# KiCad board LogicBoard_tht2.kicad_pcb (continued)
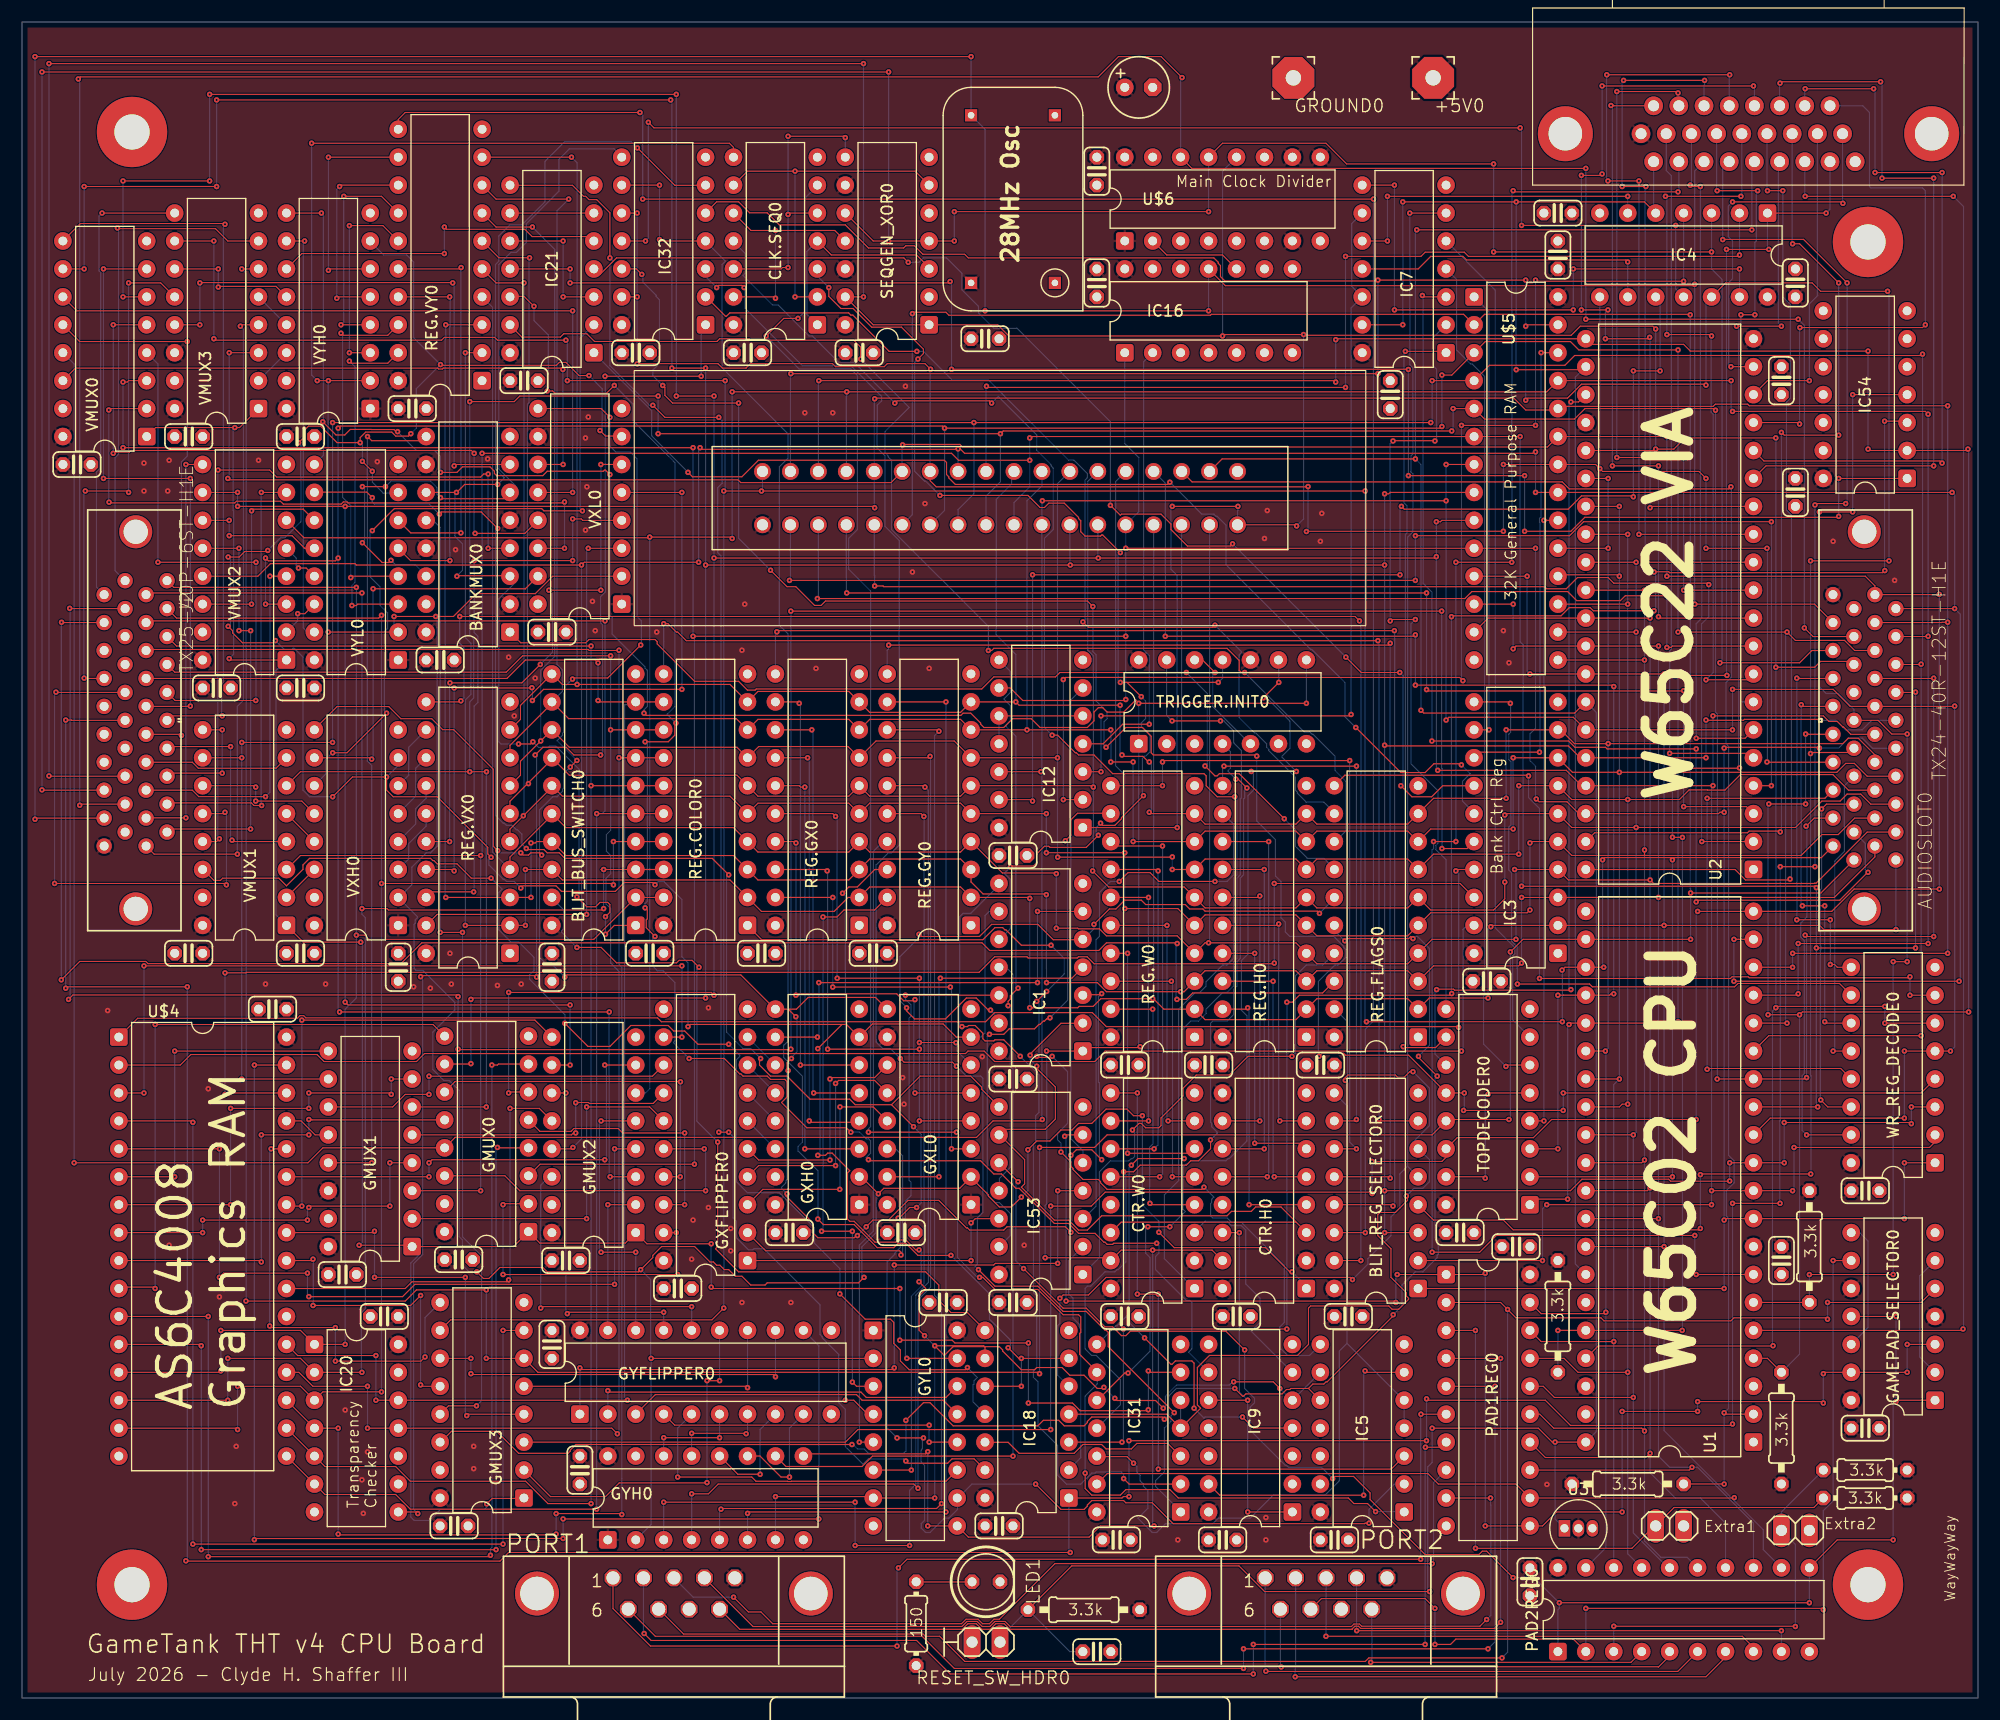
[diagram p0: board, top side]
## Routing (per net, layer and track width the routed paths; a pad name or vN(x,y) marks a point on that pad's centre or on a via; arc(x,y) is an arc through that point) (continued)
/DMA Controller/~{SEQGEN_LOW}: length 21.2
  Top w0.102: v1(68.49,127.28) 68.36,127.41 CLK.SEQ0.13 ; CLK.SEQ0.10 66.26,133.44 v1(68.49,133.44) 73.88,133.44 SEQGEN_XOR0.11
  Bottom w0.102: v1(68.49,127.28) v1(68.49,133.44)
/DMA Controller/~{TILEMODE}: length 60
  Top w0.102: v1(117.94,71.35) 117.74,71.55 107.54,71.55 107.34,71.75 106.14,71.75 105.74,72.15 102.14,72.15 101.74,72.55 100.24,72.55 99.44,71.75 98.84,71.75 v1(97.44,70.35) ; 96.44,68.95 93.74,68.95 92.34,70.35 88.14,70.35 87.04,69.25 81.74,69.25 v1(81.54,69.45) ; v1(88.04,62.55) 87.84,62.55 86.74,63.65 85.84,63.65 83.94,61.75 81.14,61.75 80.41,62.48 v1(80.41,62.76)
  Bottom w0.102: 96.44,68.95 97.44,69.95 v1(97.44,70.35) ; v1(80.41,62.76) 80.28,62.89 80.28,62.91 79.79,63.4 79.79,67.4 81.54,69.15 v1(81.54,69.45) ; v1(117.94,71.35) 119.34,72.75 ; v1(88.04,62.55) 88.84,61.75
/DMA Controller/~{TRANSEN}: length 90.3
  Top w0.102: v1(96.44,97.85) 96.94,97.35 108.24,97.35 v1(108.44,97.55) ; 62.14,127.45 63.94,125.65 64.04,125.65 64.34,125.95 75.14,125.95 75.34,125.75 75.52,125.75 78.82,122.45 v1(81.34,122.45)
  Bottom w0.102: v1(96.44,97.85) 96.64,98.05 96.64,110.75 96.84,110.95 96.84,111.35 95.64,112.55 95.14,112.55 87.84,119.85 84.54,119.85 81.94,122.45 v1(81.34,122.45) ; 119.34,80.45 118.34,81.45 116.74,81.45 115.94,82.25 115.94,82.35 115.74,82.55 115.74,83.75 113.34,86.15 113.34,86.25 113.14,86.45 113.14,86.75 112.14,87.75 112.04,87.75 110.64,89.15 110.64,94.85 110.84,95.05 110.84,95.15 v1(108.44,97.55)
/DMA Controller/~{VOE}: length 46.7
  Top w0.102: VMUX3.12 12.61,128.68 v1(9.69,128.68) ; v1(9.69,109.63) 9.56,109.75 v1(5.75,109.75) ; J2.13 5.67,92.71 v1(5.65,92.74)
  Bottom w0.102: v1(9.69,109.63) v1(9.69,128.68) ; v1(5.75,109.75) 5.63,109.63 5.63,92.76 v1(5.65,92.74)
/DMA Controller/~{VWE}: length 48.2
  Top w0.102: v1(3.09,91.47) 3.11,91.44 J2.12 ; v1(18.45,80.54) 18.33,80.42 VMUX1.12 ; v1(2.96,74.07) 18.45,74.07 v1(18.58,73.94)
  Bottom w0.102: v1(18.45,80.54) 18.58,80.42 v1(18.58,73.94) ; v1(3.09,91.47) 2.96,91.34 v1(2.96,74.07)
/DMA Controller/~{WRAP_X}: length 108
  Top w0.102: v1(104.34,110.55) 104.14,110.35 84.84,110.35 84.24,110.95 84.24,111.05 84.04,111.25 84.04,112.35 83.84,112.55 66.94,112.55 65.44,111.05 60.94,111.05 v1(60.54,111.45) ; v1(130.84,84.85) 130.74,84.95 128.34,84.95 127.54,84.15 125.34,84.15 v1(121.24,88.25)
  Bottom w0.102: 132.04,80.45 130.94,81.55 130.94,83.35 131.64,84.05 v1(130.84,84.85) ; v1(121.24,88.25) 120.24,89.25 120.24,92.35 117.24,95.35 117.14,95.35 109.44,103.05 109.44,106.65 108.64,107.45 108.54,107.45 108.34,107.65 107.24,107.65 v1(104.34,110.55) ; v1(60.54,111.45) 57.24,114.75 57.24,117.05 51.94,122.35
/DMA Controller/~{WRAP_Y}: length 114.3
  Top w0.102: v1(125.34,82.95) 126.34,81.95 128.14,81.95 129.14,82.95 132.04,82.95 ; v1(110.04,104.95) 109.84,104.75 105.94,104.75 104.44,106.25 104.44,106.75 103.54,107.65 99.94,107.65 99.84,107.55 v1(98.94,108.45) ; v1(125.24,93.25) 121.74,93.25 v1(120.34,94.65) ; v1(80.56,130.55) 80.16,130.95 54.04,130.95 52.54,129.45 52.44,129.45 51.94,129.95
  Bottom w0.102: v1(125.34,82.95) 125.54,83.15 125.54,92.95 v1(125.24,93.25) ; v1(110.04,104.95) v1(120.34,94.65) ; v1(98.94,108.45) 98.94,116.05 90.44,124.55 88.34,124.55 86.94,125.95 86.94,126.55 85.44,128.05 85.44,129.55 84.04,130.95 81.94,130.95 81.54,130.55 v1(80.56,130.55)
/DMA Controller/~{XRELOAD}: length 207.9
  Top w0.102: GXL0.9 77.58,63.7 71.46,63.7 70.4,62.64 GXH0.9 ; v1(95.34,49.35) 95.84,49.85 97.24,49.85 v1(98.14,48.95) ; v1(95.34,42.35) 94.84,42.85 89.54,42.85 89.24,42.55 86.14,42.55 85.94,42.75 85.84,42.75 83.34,45.25 80.54,45.25 78.75,43.46 77.35,43.46 v1(76.74,42.85) ; v1(98.14,64.05) 98.04,63.95 96.44,63.95 ; v1(69.64,57.05) 69.54,57.15 69.54,57.75 v1(69.94,58.15) ; v1(43.24,77.05) 42.84,77.45 42.84,84.45 39.24,88.05 38.24,88.05 37.24,89.05 34.44,89.05 33.34,90.15 28.64,90.15 26.54,88.05 ; 69.64,62.65 v1(70.34,61.95) ; v1(49.84,84.65) v1(50.44,85.25) ; v1(47.24,76.65) 47.04,76.85 46.24,76.85 46.04,76.65 45.54,76.65 v1(45.34,76.85) ; v1(50.04,92.65) 50.14,92.75 53.24,92.75 v1(56.24,95.75) ; v1(53.44,116.45) 52.64,117.25 46.94,117.25 ; 68.44,62.65 65.34,65.75 49.54,65.75 v1(49.34,65.55) ; 75.84,42.05 75.64,41.85 72.34,41.85 71.84,42.35 71.84,42.55 71.94,42.65 71.94,43.15 69.44,45.65 69.44,45.75 v1(69.54,45.85)
  Bottom w0.102: v1(50.04,92.65) 49.34,91.95 49.34,91.45 49.24,91.35 49.24,87.85 49.14,87.75 49.14,87.55 48.64,87.05 v1(50.44,85.25) ; v1(43.24,77.05) 43.44,76.85 44.64,76.85 44.74,76.75 44.84,76.85 v1(45.34,76.85) ; v1(53.44,116.45) 53.44,113.85 53.98,113.31 55.27,113.31 55.92,112.66 55.92,98.33 56.3,97.95 56.3,95.81 v1(56.24,95.75) ; v1(69.64,57.05) 69.54,56.95 69.54,47.15 69.44,47.05 69.44,46.85 69.04,46.45 69.04,46.35 v1(69.54,45.85) ; v1(70.34,61.95) 70.44,61.85 70.44,58.75 69.94,58.25 ; v1(75.94,42.05) v1(76.74,42.85) ; v1(49.84,84.65) 49.24,84.05 49.24,82.75 49.14,82.65 49.14,82.45 48.64,81.95 48.24,81.95 47.04,80.75 47.04,76.85 v1(47.24,76.65) 47.04,76.45 47.04,67.35 47.54,66.85 48.04,66.85 v1(49.34,65.55) ; v1(98.14,64.05) 97.84,63.75 97.84,56.02 97.94,55.92 97.94,49.15 v1(98.14,48.95) ; v1(95.34,42.35) v1(95.34,49.35)
A0: length 420.5
  Top w0.102: v1(9.18,119.66) 9.56,119.66 9.69,119.79 VMUX0.3 ; v1(154.72,80.54) 154.34,80.54 154.22,80.42 U2.38 141.52,80.42 140.44,81.5 137.9,81.5 v1(137.64,81.75) ; v1(61,113.69) v1(9.18,113.69) ; v1(154.72,43.46) 154.86,43.59 U1.9 171.1,43.59 v1(171.11,43.59) ; v1(137.58,104.55) U$5.10 v1(100.33,104.55) ; v1(171.11,48.67) WR_REG_DECODE0.1 ; BLIT_REG_SELECTOR0.1 v1(154.72,37.24) ; GMUX0.3 47.09,48.54 v1(61.13,48.54) ; v1(100.33,90.79) 100.24,90.7 90.97,90.7 89.83,91.85 IC12.9 ; v1(154.72,86.38) 154.8,86.45 163.31,86.45 v1(163.38,86.38) ; v1(61,96.55) v1(100.33,96.55)
  Bottom w0.102: v1(61.13,48.54) 61.13,96.42 v1(61,96.55) v1(61,113.69) ; v1(137.58,104.55) 137.58,88.16 137.07,87.66 137.07,85.24 137.58,84.73 137.58,81.81 v1(137.64,81.75) ; AUDIOSLOT0.32 168.21,86.36 167.29,87.28 166.03,87.28 165.13,86.38 v1(163.38,86.38) ; IC16.1 100.24,114.07 101.51,112.8 101.51,107.86 U$3.P$14 v1(100.33,104.55) v1(100.33,96.55) v1(100.33,90.79) ; v1(9.18,113.69) v1(9.18,119.66) ; v1(171.11,43.59) v1(171.11,48.67) ; v1(154.72,86.38) v1(154.72,80.54) v1(154.72,43.46) v1(154.72,37.24)
A1: length 423.1
  Top w0.102: AUDIOSLOT0.31 166.24,87.63 165.58,88.29 165.52,88.29 165.01,88.8 164.25,88.8 163.74,89.31 v1(153.71,89.31) ; v1(17.06,137.95) v1(9.18,137.95) ; v1(44.23,64.16) 62.65,64.16 v1(62.9,63.91) ; v1(62.9,118.39) v1(59.47,118.39) ; v1(128.69,84.35) 140.37,84.35 141.77,82.96 U2.37 v1(153.71,82.96) ; v1(44.23,55.02) 44.32,55.11 GMUX0.6 ; v1(9.18,127.41) VMUX0.6 ; v1(160.95,46.13) 160.94,46.13 U1.10 v1(153.58,46.13) ; WR_REG_DECODE0.2 173.9,50.57 173.39,50.06 v1(161.07,50.06) ; v1(62.9,103.66) v1(97.83,103.66) 128.44,103.66 v1(128.56,103.78) ; v1(138.6,44.86) v1(153.58,44.86) ; BLIT_REG_SELECTOR0.2 v1(138.21,39.78) ; v1(128.56,106.96) 128.94,106.96 129.07,107.09 U$5.9 ; v1(59.47,145.82) v1(17.06,145.82)
  Bottom w0.102: v1(17.06,145.82) v1(17.06,137.95) ; v1(160.95,46.13) 161.07,46.25 v1(161.07,50.06) ; v1(97.83,103.66) 97.79,103.7 U$3.P$13 ; v1(44.23,64.16) v1(44.23,55.02) 44.11,55.14 ; v1(153.71,89.31) v1(153.71,82.96) 153.58,82.83 v1(153.58,46.13) v1(153.58,44.86) ; v1(59.47,118.39) v1(59.47,145.82) ; v1(128.56,106.96) v1(128.56,103.78) 128.56,84.48 v1(128.69,84.35) ; v1(62.9,118.39) v1(62.9,103.66) v1(62.9,63.91) ; v1(9.18,137.95) v1(9.18,127.41) ; v1(138.21,39.78) 138.21,44.48 v1(138.6,44.86)
A2: length 437.6
  Top w0.102: v1(5.65,129.95) VMUX0.10 ; BLIT_REG_SELECTOR0.3 v1(123.86,42.32) ; v1(160.19,48.67) 160.18,48.67 U1.11 155.62,48.67 155.61,48.67 v1(155.23,48.67) ; v1(58.97,145.31) v1(17.69,145.31) ; v1(62.14,63.65) 40.93,63.65 v1(40.81,63.53) ; GMUX0.10 40.77,57.65 v1(40.81,57.68) ; U$5.8 124.37,109.63 124.24,109.5 v1(123.86,109.5) ; v1(62.14,103.02) v1(95.29,103.02) v1(123.86,103.02) ; v1(153.07,85.5) U2.36 141.64,85.5 140.56,86.58 123.93,86.58 v1(123.86,86.64) ; v1(160.19,52.33) 171.64,52.33 v1(171.74,52.22) ; v1(171.74,53.75) WR_REG_DECODE0.3 ; v1(153.07,88.93) 153.09,88.9 156.48,88.9 156.57,88.99 163.4,88.99 v1(163.49,88.9) ; v1(123.86,46.13) 140.75,46.13 141.8,47.18 149.68,47.18 149.86,46.99 155.21,46.99 v1(155.23,47.02) ; v1(17.69,137.44) v1(5.65,137.44) ; v1(62.14,120.93) v1(59.07,120.93)
  Bottom w0.102: v1(62.14,120.93) v1(62.14,103.02) v1(62.14,63.65) ; v1(123.86,109.5) v1(123.86,103.02) v1(123.86,86.64) v1(123.86,46.13) v1(123.86,42.32) ; AUDIOSLOT0.30 168.14,88.9 167.27,88.04 165.77,88.04 164.91,88.9 v1(163.49,88.9) ; v1(58.97,145.31) 59.07,145.21 v1(59.07,120.93) ; v1(95.29,103.02) 95.25,103.06 U$3.P$12 ; v1(17.69,145.31) v1(17.69,137.44) ; v1(153.07,85.5) v1(153.07,88.93) ; v1(40.81,63.53) v1(40.81,57.68) 40.68,57.81 ; v1(155.23,47.02) v1(155.23,48.67) ; v1(5.65,137.44) v1(5.65,129.95) ; v1(160.19,48.67) v1(160.19,52.33) ; v1(171.74,52.22) v1(171.74,53.75)
A3: length 393.9
  Top w0.102: v1(155.49,88.04) U2.35 141.01,89.18 129.71,89.18 v1(129.45,88.93) ; v1(92.75,108.86) v1(129.45,108.86) ; v1(171.11,52.73) 158.91,52.73 U1.12 ; v1(92.75,52.6) 92.62,52.48 88.26,52.48 86.76,50.98 39.37,50.98 GMUX0.13 27.35,50.03 25.99,48.67 v1(4.74,48.67) ; v1(92.62,84.23) IC12.12 ; v1(175.3,58.83) WR_REG_DECODE0.5 v1(171.11,58.83) ; v1(175.68,90.2) 175.65,90.17 AUDIOSLOT0.29 166.18,90.17 164.63,91.72 v1(155.49,91.72) ; v1(129.45,112.17) U$5.7
  Bottom w0.102: v1(129.45,112.17) v1(129.45,108.86) v1(129.45,88.93) ; v1(171.11,52.73) v1(171.11,58.83) ; v1(92.75,108.86) 92.71,108.83 U$3.P$11 92.71,84.48 ; v1(4.74,48.67) 4.74,121.31 VMUX0.13 ; v1(92.75,52.6) 92.71,52.64 92.71,84.48 ; v1(175.3,58.83) 175.68,59.21 v1(175.68,90.2) ; v1(92.62,84.23) 92.71,84.32 92.71,84.48 ; v1(155.49,88.04) v1(155.49,91.72)
A4: length 322.5
  Top w0.102: v1(41.82,113.18) 84.49,113.18 85.13,112.55 v1(91.61,112.55) ; VMUX1.3 25.31,76.61 v1(41.69,76.61) ; v1(136.18,114.71) U$5.6 91.73,114.71 v1(91.61,114.58) ; AUDIOSLOT0.28 172.1,91.44 v1(172.12,91.47) ; v1(136.31,73.81) 162.98,73.81 v1(163.11,73.69) ; v1(172.12,68.2) v1(163.11,68.2) ; v1(163.23,53.75) 163.23,53.75 U1.13 ; GMUX1.3 v1(41.69,46.13)
  Bottom w0.102: v1(41.69,46.13) v1(41.69,76.61) 41.82,76.73 v1(41.82,113.18) ; v1(91.61,114.58) v1(91.61,112.55) 91.61,110.13 90.17,108.7 U$3.P$10 ; v1(172.12,91.47) v1(172.12,68.2) ; v1(136.31,73.81) 136.46,73.96 136.46,95.76 136.18,96.04 v1(136.18,114.71) ; v1(163.23,53.75) 163.11,53.87 v1(163.11,68.2) v1(163.11,73.69)
A5: length 341.2
  Top w0.102: AUDIOSLOT0.27 173.75,92.71 v1(173.77,92.74) ; v1(40.7,117.88) 44.74,117.88 45.25,118.39 v1(57.82,118.39) ; v1(57.82,114.96) v1(88.94,114.96) 89.19,115.21 v1(129.96,115.21) ; v1(154.09,56.29) 154.09,56.29 U1.14 161.97,56.29 162.09,56.41 v1(162.22,56.41) ; VMUX1.6 25.31,84.23 v1(40.7,84.23) v1(42.22,84.23) ; v1(162.09,69.37) 162.22,69.24 v1(173.77,69.24) ; v1(130.09,117.25) U$5.5 132.95,116.29 141.12,116.29 142.07,117.25 153.79,117.25 v1(153.94,117.1) ; GMUX1.6 v1(42.2,53.75)
  Bottom w0.102: v1(88.94,114.96) 88.94,110.59 87.63,109.28 U$3.P$9 ; v1(173.77,92.74) v1(173.77,69.24) ; v1(40.7,117.88) 40.7,96.67 41.06,96.31 41.06,90.94 40.7,90.58 v1(40.7,84.23) ; v1(129.96,115.21) 130.09,115.34 v1(130.09,117.25) ; v1(153.94,117.1) 153.94,89.64 154.11,89.47 154.11,56.31 v1(154.09,56.29) ; v1(162.09,69.37) 162.22,69.24 v1(162.22,56.41) ; v1(42.22,84.23) 42.2,84.2 v1(42.2,53.75) ; v1(57.82,114.96) v1(57.82,118.39)
A6: length 318.7
  Top w0.102: U1.15 158.78,60.22 v1(172.63,60.22) ; v1(128.18,119.79) U$5.4 133.39,121.18 140.25,121.18 141.14,122.07 172.63,122.07 v1(172.76,122.2) ; v1(28.23,86.89) v1(19.98,86.89) ; v1(128.05,115.98) v1(86.53,115.98) v1(28.23,115.98) ; v1(172.63,94.01) 172.61,93.98 AUDIOSLOT0.26 ; GMUX1.10 v1(19.98,56.29) ; VMUX1.10 v1(19.98,85.5)
  Bottom w0.102: v1(172.63,60.22) v1(172.63,94.01) 172.76,94.13 v1(172.76,122.2) ; U$3.P$8 85.09,108.06 86.53,109.5 v1(86.53,115.98) ; v1(19.98,86.89) v1(19.98,85.5) v1(19.98,56.29) ; v1(128.18,119.79) 128.18,116.1 v1(128.05,115.98) ; v1(28.23,115.98) v1(28.23,86.89)
A7: length 328.5
  Top w0.102: v1(160.44,61.37) 160.43,61.37 U1.16 ; AUDIOSLOT0.25 166.59,95.25 165.67,96.17 161.2,96.17 v1(160.44,96.93) v1(150.53,96.93) ; v1(129.07,120.29) 129.96,120.29 U$5.3 133.01,123.34 140.75,123.34 141.52,122.58 v1(150.53,122.58) ; v1(129.07,115.62) 128.92,115.47 v1(83.86,115.47) 83.67,115.66 28.93,115.66 v1(28.74,115.47) ; v1(22.14,103.66) 22.39,103.4 28.49,103.4 v1(28.74,103.66) ; v1(53.46,47.4) GMUX2.3 ; VMUX2.3 v1(22.14,99.47) ; v1(53.38,62.38) v1(28.87,62.38)
  Bottom w0.102: v1(83.86,115.47) 83.86,107.99 U$3.P$7 ; v1(28.87,62.38) 28.74,62.51 v1(28.74,103.66) v1(28.74,115.47) ; v1(150.53,122.58) v1(150.53,96.93) ; v1(22.14,99.47) v1(22.14,103.66) ; v1(53.38,62.38) 53.38,47.48 v1(53.46,47.4) ; v1(129.07,120.29) v1(129.07,115.62) ; v1(160.44,96.93) 160.31,96.8 160.31,61.49 v1(160.44,61.37)
A8: length 297
  Top w0.102: v1(64.55,118.77) v1(74.97,118.77) 138.6,118.77 U$5.25 v1(155.36,119.79) ; v1(161.46,64.03) 161.33,63.91 U1.17 ; VMUX2.6 25.62,105.5 57,105.5 v1(57.06,105.56) 64.43,105.56 v1(64.55,105.44) ; v1(173.27,116.74) 173.01,116.99 v1(155.49,116.99) ; v1(173.27,96.55) 173.24,96.52 AUDIOSLOT0.24 ; v1(173.27,68.61) v1(161.46,68.61)
  Bottom w0.102: GMUX2.6 56.68,55.02 57.06,55.4 v1(57.06,105.56) ; v1(155.36,119.79) 155.36,117.12 v1(155.49,116.99) ; v1(64.55,105.44) v1(64.55,118.77) ; U$3.P$22 74.93,118.35 74.97,118.39 v1(74.97,118.77) ; v1(173.27,116.74) v1(173.27,96.55) v1(173.27,68.61) ; v1(161.46,68.61) v1(161.46,64.03)
A9: length 318.7
  Top w0.102: v1(175.04,117.5) 157.01,117.5 156.86,117.65 153.92,117.65 153.72,117.45 139.82,117.45 U$5.24 139.49,117.12 136.69,117.12 135.61,118.2 77.57,118.2 v1(77.51,118.14) ; v1(160.95,67.72) v1(175.04,67.72) ; U1.18 160.94,66.45 v1(160.95,66.45) ; v1(49.82,63.02) 29.63,63.02 v1(29.38,63.27) ; v1(19.6,108.36) v1(29.38,108.36) 77.38,108.36 v1(77.51,108.23) ; v1(175.04,97.82) 174.54,97.82 174.51,97.79 AUDIOSLOT0.23 ; GMUX2.10 v1(49.82,57.56) ; v1(19.6,109.63) VMUX2.10
  Bottom w0.102: v1(29.38,63.27) v1(29.38,108.36) ; v1(175.04,117.5) v1(175.04,97.82) v1(175.04,67.72) ; v1(19.6,108.36) v1(19.6,109.63) ; v1(77.51,118.14) 77.47,118.1 U$3.P$23 77.47,108.27 v1(77.51,108.23) ; v1(160.95,66.45) v1(160.95,67.72) ; v1(49.82,57.56) v1(49.82,63.02)
A10: length 307.5
  Top w0.102: v1(137.58,113.31) 137.45,113.31 137.33,113.18 85.68,113.18 85.28,113.59 v1(85.09,113.59) 85.05,113.54 61.78,113.54 v1(61.63,113.69) ; v1(155.61,68.99) 155.99,68.99 156,68.99 U1.19 ; v1(137.58,109.63) U$5.21 v1(175.45,109.63) ; v1(50.08,50.06) 49.95,49.94 GMUX2.13 ; v1(176.08,65.18) v1(155.61,65.18) ; v1(175.68,99.06) AUDIOSLOT0.22 ; v1(61.51,103.28) 51.11,103.28 v1(50.86,103.02) 30.39,103.02 30.26,103.15 22.58,103.15 21.44,102.01 VMUX2.13
  Bottom w0.102: v1(85.09,113.59) U$3.P$26 ; v1(61.51,103.28) 61.51,113.56 v1(61.63,113.69) ; v1(175.45,109.63) 175.68,109.39 v1(175.68,99.06) 176.19,98.55 176.19,65.28 v1(176.08,65.18) ; v1(50.86,103.02) 50.86,50.85 v1(50.08,50.06) ; v1(137.58,113.31) v1(137.58,109.63) ; v1(155.61,65.18) v1(155.61,68.99)
A11: length 388.5
  Top w0.102: v1(122.72,45.87) 122.59,46 98.46,46 97.19,44.73 v1(93.51,44.73) ; v1(152.18,52.6) 139.04,52.6 137.39,50.95 130.46,50.95 TOPDECODER0.14 129.45,49.17 129.07,48.79 v1(122.72,48.79) ; v1(18.71,110.9) 18.83,110.77 65.08,110.77 65.34,110.52 78.99,110.52 U$3.P$24 ; v1(174.28,100.36) 174.26,100.33 AUDIOSLOT0.21 168.43,101.13 167.55,102.01 v1(149.52,102.01) ; v1(93.51,24.41) 75.98,24.41 74.84,23.27 GMUX3.3 ; v1(80.05,113.94) 80.09,113.99 85.26,113.99 85.49,113.75 138.66,113.75 U$5.23 v1(149.52,114.71) ; VMUX3.3 v1(18.83,122.33) ; v1(174.28,73.56) 166.54,73.56 164.51,71.53 U1.20 152.32,71.53 v1(152.31,71.53)
  Bottom w0.102: v1(18.71,110.9) 18.83,111.02 v1(18.83,122.33) ; v1(80.05,113.94) 80.01,113.91 U$3.P$24 ; v1(93.51,24.41) v1(93.51,44.73) ; v1(152.18,52.6) 152.18,71.4 v1(152.31,71.53) ; v1(174.28,100.36) v1(174.28,73.56) ; v1(122.72,45.87) v1(122.72,48.79) ; v1(149.52,114.71) v1(149.52,102.01)
A12: length 435.5
  Top w0.102: v1(42.2,37.11) 35.85,37.11 34.84,36.09 v1(20.36,36.09) ; v1(135.17,52.6) 129.57,52.6 TOPDECODER0.13 128.18,51.21 128.18,51.21 98.63,51.21 97.49,50.06 v1(92.49,50.06) ; v1(151.64,125.78) 151.6,125.82 132.95,125.82 U$5.2 131.04,125.82 108.11,125.82 108.03,125.73 84.26,125.73 83.99,126.01 81.06,126.01 v1(80.94,125.88) ; v1(42.2,30.89) GMUX3.6 46.9,29.62 92.37,29.62 v1(92.49,29.49) ; v1(135.29,67.84) 136.44,68.99 U1.22 v1(151.68,68.99) ; AUDIOSLOT0.20 163.52,73.2 v1(151.68,73.2) ; VMUX3.6 v1(19.98,129.95)
  Bottom w0.102: U$3.P$6 80.92,107.59 80.92,125.01 80.94,125.02 v1(80.94,125.88) ; v1(135.17,52.6) 135.29,52.73 v1(135.29,67.84) ; v1(151.68,68.99) v1(151.68,73.2) 151.68,73.58 151.64,73.61 v1(151.64,125.78) ; v1(92.49,29.49) v1(92.49,50.06) ; v1(42.2,37.11) v1(42.2,30.89) ; v1(20.36,36.09) 20.38,36.12 20.38,129.54 v1(19.98,129.95)
A13: length 381.7
  Top w0.102: v1(63.79,35.46) 62.72,34.38 38.96,34.38 GMUX3.10 ; v1(143.78,66.45) 143.78,66.45 U1.23 140.25,66.45 v1(139.99,66.19) ; v1(122.21,61.49) v1(140.01,61.49) ; v1(143.68,76.22) 143.87,76.42 163.56,76.42 AUDIOSLOT0.19 ; v1(49.44,123.47) 43.22,123.47 42.96,123.72 38.39,123.72 38.14,123.47 17.56,123.47 v1(17.44,123.6) ; TOPDECODER0.2 v1(150.03,47.4) ; v1(122.09,109.75) v1(67.22,109.75) v1(63.79,109.75) ; v1(63.92,119.79) v1(49.57,119.79) ; v1(17.44,132.49) VMUX3.10
  Bottom w0.102: v1(122.21,61.49) 122.09,61.62 v1(122.09,109.75) ; v1(143.78,66.45) 143.68,66.55 v1(143.68,76.22) ; v1(139.99,66.19) 140.01,66.17 v1(140.01,61.49) ; U$3.P$19 67.31,109.84 v1(67.22,109.75) ; v1(63.79,35.46) v1(63.79,109.75) 63.92,109.88 v1(63.92,119.79) ; v1(150.03,47.4) v1(150.03,76.22) ; v1(49.57,119.79) 49.57,123.34 v1(49.44,123.47) ; v1(17.44,123.6) v1(17.44,132.49)
AUD_LFSR_X: length 36.3
  Top w0.102: v1(161.73,90.32) 161.88,90.17 AUDIOSLOT0.9 ; v1(163.87,61.49) 164,61.37 WR_REG_DECODE0.11 ; v1(161.84,72.03) v1(163.87,72.03)
  Bottom w0.102: v1(161.84,72.03) 161.73,72.14 v1(161.73,90.32) ; v1(163.87,72.03) v1(163.87,61.49)
AUD_RESET: length 35.5
  Top w0.102: v1(162.17,79.27) 162.91,80.01 AUDIOSLOT0.17 ; WR_REG_DECODE0.15 v1(162.22,51.21)
  Bottom w0.102: v1(162.17,79.27) 162.24,79.21 162.24,71.01 161.69,70.46 161.69,69.2 162.01,68.87 162.01,56.78 161.81,56.58 161.81,51.61 v1(162.22,51.21)
AUD_SAMP_RATE_SEL: length 34.4
  Top w0.102: v1(161.33,70.76) v1(164.38,70.76) ; WR_REG_DECODE0.9 165.01,66.45 164.76,66.7 v1(164.38,66.7) ; v1(161.33,92.74) 161.35,92.71 AUDIOSLOT0.7
  Bottom w0.102: v1(164.38,70.76) v1(164.38,66.7) ; v1(161.33,92.74) v1(161.33,70.76)
AUD_SQ2_N: length 50
  Top w0.102: AUDIOSLOT0.15 163.88,81.81 153.27,81.81 153.18,81.91 v1(153.18,81.81) ; WR_REG_DECODE0.13 165.32,57.24 153.25,57.24 v1(153.18,57.18)
  Bottom w0.102: v1(153.18,57.18) v1(153.18,81.81)
AUD_SQ2_X: length 27.4
  Top w0.102: WR_REG_DECODE0.12 v1(164.63,58.83)
  Bottom w0.102: AUDIOSLOT0.14 165.65,82.94 165.65,76.99 164.78,76.12 164.78,58.98 v1(164.63,58.83)
CLK3_5: length 482.4
  Top w0.102: v1(148.5,124.49) 148.25,124.74 141.64,124.74 140.82,123.91 116.56,123.91 v1(116.5,123.98) 109.26,123.98 v1(109.13,123.85) 89.71,123.85 88.69,124.87 SEQGEN_XOR0.1 77.38,124.87 SEQGEN_XOR0.13 v1(76.49,127.41) ; v1(110.53,108.36) 110.53,108.23 110.4,108.36 v1(104.56,108.36) ; v1(2.45,148.62) v1(76.49,148.62) ; v1(159.42,62.76) 159.55,62.89 v1(169.33,62.89) ; v1(159.42,93.73) 162.96,93.73 163.49,94.26 166.24,94.26 AUDIOSLOT0.6 ; v1(115.86,106.58) 115.76,106.68 U$3.P$18 ; v1(105.01,79.15) IC12.1 ; U2.25 148.37,113.44 v1(148.5,113.56) 150.15,113.56 151.17,114.58 v1(159.42,114.58) ; J2.6 2.48,83.82 v1(2.45,83.85) ; WR_REG_DECODE0.6 v1(169.33,61.37) ; U1.37 143.27,32.01 159.15,32.01 v1(159.17,32.03)
  Bottom w0.102: v1(104.56,108.36) 104.43,108.23 104.43,102.64 105.01,102.07 v1(105.01,79.15) ; v1(110.53,108.36) 110.53,107.98 110.49,107.94 U$3.P$18 ; v1(76.49,148.62) v1(76.49,127.41) ; v1(148.5,124.49) v1(148.5,113.56) ; v1(115.86,106.58) 116.5,107.21 v1(116.5,123.98) ; U$6.12 109.13,138.84 v1(109.13,123.85) ; v1(169.33,61.37) v1(169.33,62.89) ; v1(2.45,83.85) v1(2.45,148.62) ; v1(159.17,32.03) 159.12,32.08 159.12,62.46 v1(159.42,62.76) v1(159.42,93.73) v1(159.42,114.58)
CLK7: length 312.1
  Top w0.102: U$6.13 109.13,141.38 118.53,141.38 120.41,139.49 v1(133.77,139.49) ; v1(1.82,147.85) v1(78.78,147.85) ; SEQGEN_XOR0.10 77.38,132.49 v1(78.78,132.49) SEQGEN_XOR0.4 v1(84.75,132.49) ; v1(133.77,131.49) v1(153.58,131.49) ; v1(1.82,82.58) 1.84,82.55 J2.5 ; v1(154.34,94.13) 161.58,94.13 162.7,95.25 AUDIOSLOT0.5 ; v1(107.86,135.15) v1(84.75,135.15)
  Bottom w0.102: v1(84.75,135.15) v1(84.75,132.49) ; v1(133.77,139.49) v1(133.77,131.49) ; U$6.13 v1(107.86,135.15) ; v1(1.82,82.58) v1(1.82,147.85) ; v1(154.34,94.13) 154.53,94.32 154.53,128.99 153.58,129.95 IC4.3 ; v1(78.78,147.85) v1(78.78,132.49)
CLK14: length 282.9
  Top w0.102: v1(5.25,81.18) 5.35,81.28 J2.4 ; v1(162.01,97.31) 162.8,96.52 AUDIOSLOT0.4 ; v1(105.45,147.35) 103.54,149.25 99.67,149.25 97.83,147.41 5.31,147.41 v1(5.12,147.22) ; U$6.14 106.34,139.09 v1(142.15,139.09) ; v1(142.15,125.37) v1(161.46,125.37)
  Bottom w0.102: v1(5.25,81.18) 5.25,147.09 v1(5.12,147.22) ; v1(142.15,139.09) v1(142.15,125.37) ; v1(162.01,97.31) 162.01,124.82 v1(161.46,125.37) ; U$6.14 105.32,147.22 v1(105.45,147.35)
CLK28: length 307.2
  Top w0.102: v1(1.18,149.25) v1(86.27,149.25) ; v1(152.06,99.47) 162.94,99.47 AUDIOSLOT0.3 ; v1(1.18,79.91) 1.28,80.01 J2.3 ; v1(87.54,126.14) v1(107.86,126.14) ; IC16.11 109.39,128.42 151.92,128.42 v1(152.04,128.55)
  Bottom w0.102: J1.3 152.04,138.85 v1(152.04,128.55) 152.04,99.48 v1(152.06,99.47) ; v1(87.54,126.14) 87.54,142.65 U$2.P$4 v1(86.27,149.25) ; v1(1.18,79.91) v1(1.18,149.25) ; v1(107.86,126.14) IC16.11
D0: length 438.8
  Top w0.102: v1(45.76,70.26) REG.VX0.2 v1(40.3,70.26) ; v1(149.26,41.05) 148.76,41.05 148.75,41.05 U1.33 ; v1(133.52,70.13) 133.64,70.26 IC3.2 v1(149.26,70.26) 163.4,70.26 163.78,69.88 v1(170.35,69.88) ; v1(149.26,93.12) U2.33 v1(137.07,93.12) ; v1(91.61,62.76) 95.97,62.76 96.09,62.89 97.37,62.89 98.07,63.59 v1(102.78,63.59) 102.84,63.59 103.8,62.64 REG.W0.2 107.54,61.68 115.8,61.68 REG.H0.2 117.7,63.59 125.96,63.59 REG.FLAGS0.2 127.93,63.65 v1(133.26,63.65) ; v1(91.61,72.71) 91.52,72.8 REG.GY0.2 85.31,73.75 77.06,73.75 REG.GX0.2 75.1,72.8 73.83,71.53 67.22,71.53 REG.COLOR0.2 64.36,74.38 49.12,74.38 BLIT_BUS_SWITCH0.18 v1(45.76,75.34) ; IC31.13 98.65,20.41 127.79,20.41 128.74,19.46 135.81,19.46 PAD1REG0.12 155.61,18.19 v1(155.64,18.22) ; U$5.11 v1(136.82,102.01) ; REG.VY0.2 v1(40.3,122.33)
  Bottom w0.102: v1(133.26,63.65) 133.26,69.88 v1(133.52,70.13) ; PAD2REG0.12 158.28,13.49 158.28,15.3 149.26,24.32 v1(149.26,41.05) v1(149.26,70.26) v1(149.26,93.12) ; U$3.P$15 102.87,63.68 v1(102.78,63.59) ; v1(91.61,62.76) v1(91.61,72.71) ; v1(136.82,102.01) 136.82,93.37 v1(137.07,93.12) ; v1(40.3,122.33) 40.3,96.42 40.81,95.91 40.81,91.27 40.3,90.76 v1(40.3,70.26) ; AUDIOSLOT0.40 170.33,69.89 v1(170.35,69.88) ; v1(45.76,70.26) v1(45.76,75.34)
D1: length 387.8
  Top w0.102: v1(135.55,95.4) 135.8,95.66 U2.32 v1(148.76,95.66) ; U1.32 148.75,43.59 v1(148.76,43.59) ; v1(136.31,72.8) IC3.3 v1(148.76,72.8) 164.74,72.8 168.43,76.48 AUDIOSLOT0.39 ; PAD1REG0.13 151.55,20.73 v1(151.8,20.98) ; v1(93.11,73.05) 93.05,73.11 87.36,73.11 86.27,74.21 REG.GY0.3 85.31,76.29 77.06,76.29 REG.GX0.3 75.15,74.38 66.9,74.38 REG.COLOR0.3 64.68,76.61 49.44,76.61 BLIT_BUS_SWITCH0.17 46.77,77.88 46.65,77.75 v1(46.27,77.75) ; v1(136.31,66.83) 136.06,66.57 128.31,66.57 REG.FLAGS0.3 125.96,66.13 117.7,66.13 REG.H0.3 115.8,66.13 107.54,66.13 REG.W0.3 105.64,64.22 v1(105.32,64.22) 98.58,64.22 97.75,65.05 v1(93.13,65.05) ; v1(38.52,72.8) REG.VX0.3 v1(46.27,72.8) ; REG.VY0.3 v1(38.52,124.87) ; U$5.12 v1(135.55,99.47)
  Bottom w0.102: v1(93.13,65.05) 93.13,66.32 93.11,66.34 v1(93.11,73.05) ; U$3.P$16 105.41,64.31 v1(105.32,64.22) ; v1(46.27,72.8) v1(46.27,77.75) ; v1(38.52,72.8) 38.47,72.85 38.47,123.55 38.52,123.6 v1(38.52,124.87) ; v1(135.55,99.47) v1(135.55,95.4) ; v1(136.31,66.83) v1(136.31,72.8) ; v1(148.76,95.66) v1(148.76,72.8) v1(148.76,43.59) 148.76,22 149.77,20.98 v1(151.8,20.98) 152.31,20.98 157.39,15.9 PAD2REG0.13
D2: length 365.5
  Top w0.102: U$5.13 133.27,98.2 U2.31 v1(147.99,98.2) ; v1(94.02,70) 95.97,70 96.03,69.94 97.94,69.94 98.58,69.3 105,69.3 REG.W0.4 107.54,68.67 v1(107.86,68.67) 115.8,68.67 REG.H0.4 117.7,66.76 125.96,66.76 REG.FLAGS0.4 128.18,68.99 v1(135.8,68.99) ; REG.VX0.4 44.36,76.47 48.17,80.28 BLIT_BUS_SWITCH0.16 49.44,79.15 64.68,79.15 REG.COLOR0.4 66.9,76.92 75.15,76.92 REG.GX0.4 77.06,76.92 85.31,76.92 REG.GY0.4 89.12,75.02 93.95,75.02 v1(94.02,74.96) ; v1(147.99,22.25) 147.61,21.87 138.47,21.87 PAD1REG0.14 ; v1(135.67,75.34) IC3.4 140.56,74.38 v1(147.99,74.38) 148.31,74.07 162.92,74.07 162.94,74.09 163.07,74.09 167.73,78.74 AUDIOSLOT0.38 ; v1(147.99,46.38) 147.74,46.13 U1.31
  Bottom w0.102: PAD2REG0.14 154.85,15.9 152.57,18.19 150.28,18.19 147.99,20.47 v1(147.99,22.25) v1(147.99,46.38) v1(147.99,74.38) v1(147.99,98.2) ; REG.VY0.4 42.77,126.45 42.77,76.92 REG.VX0.4 ; v1(135.8,68.99) 135.8,75.21 v1(135.67,75.34) ; v1(94.02,74.96) v1(94.02,70) ; v1(107.86,68.67) 107.95,68.76 U$3.P$17
